# Altium PCB AccessControl_V1.0.0.PcbDoc (part 3 of 3)
Units mil, origin at the board's own origin, x right, y up, seen from the top; angles counter-clockwise.
Board outline 3937.01 x 3937.01 mil, 4 copper layers (Top Layer, GND, PWR, Bottom Layer), stack 62.449 mil thick; 371 components, 229 nets, 1119 pads, 467 vias.
Unrouted connection lines stored in the file: 6.
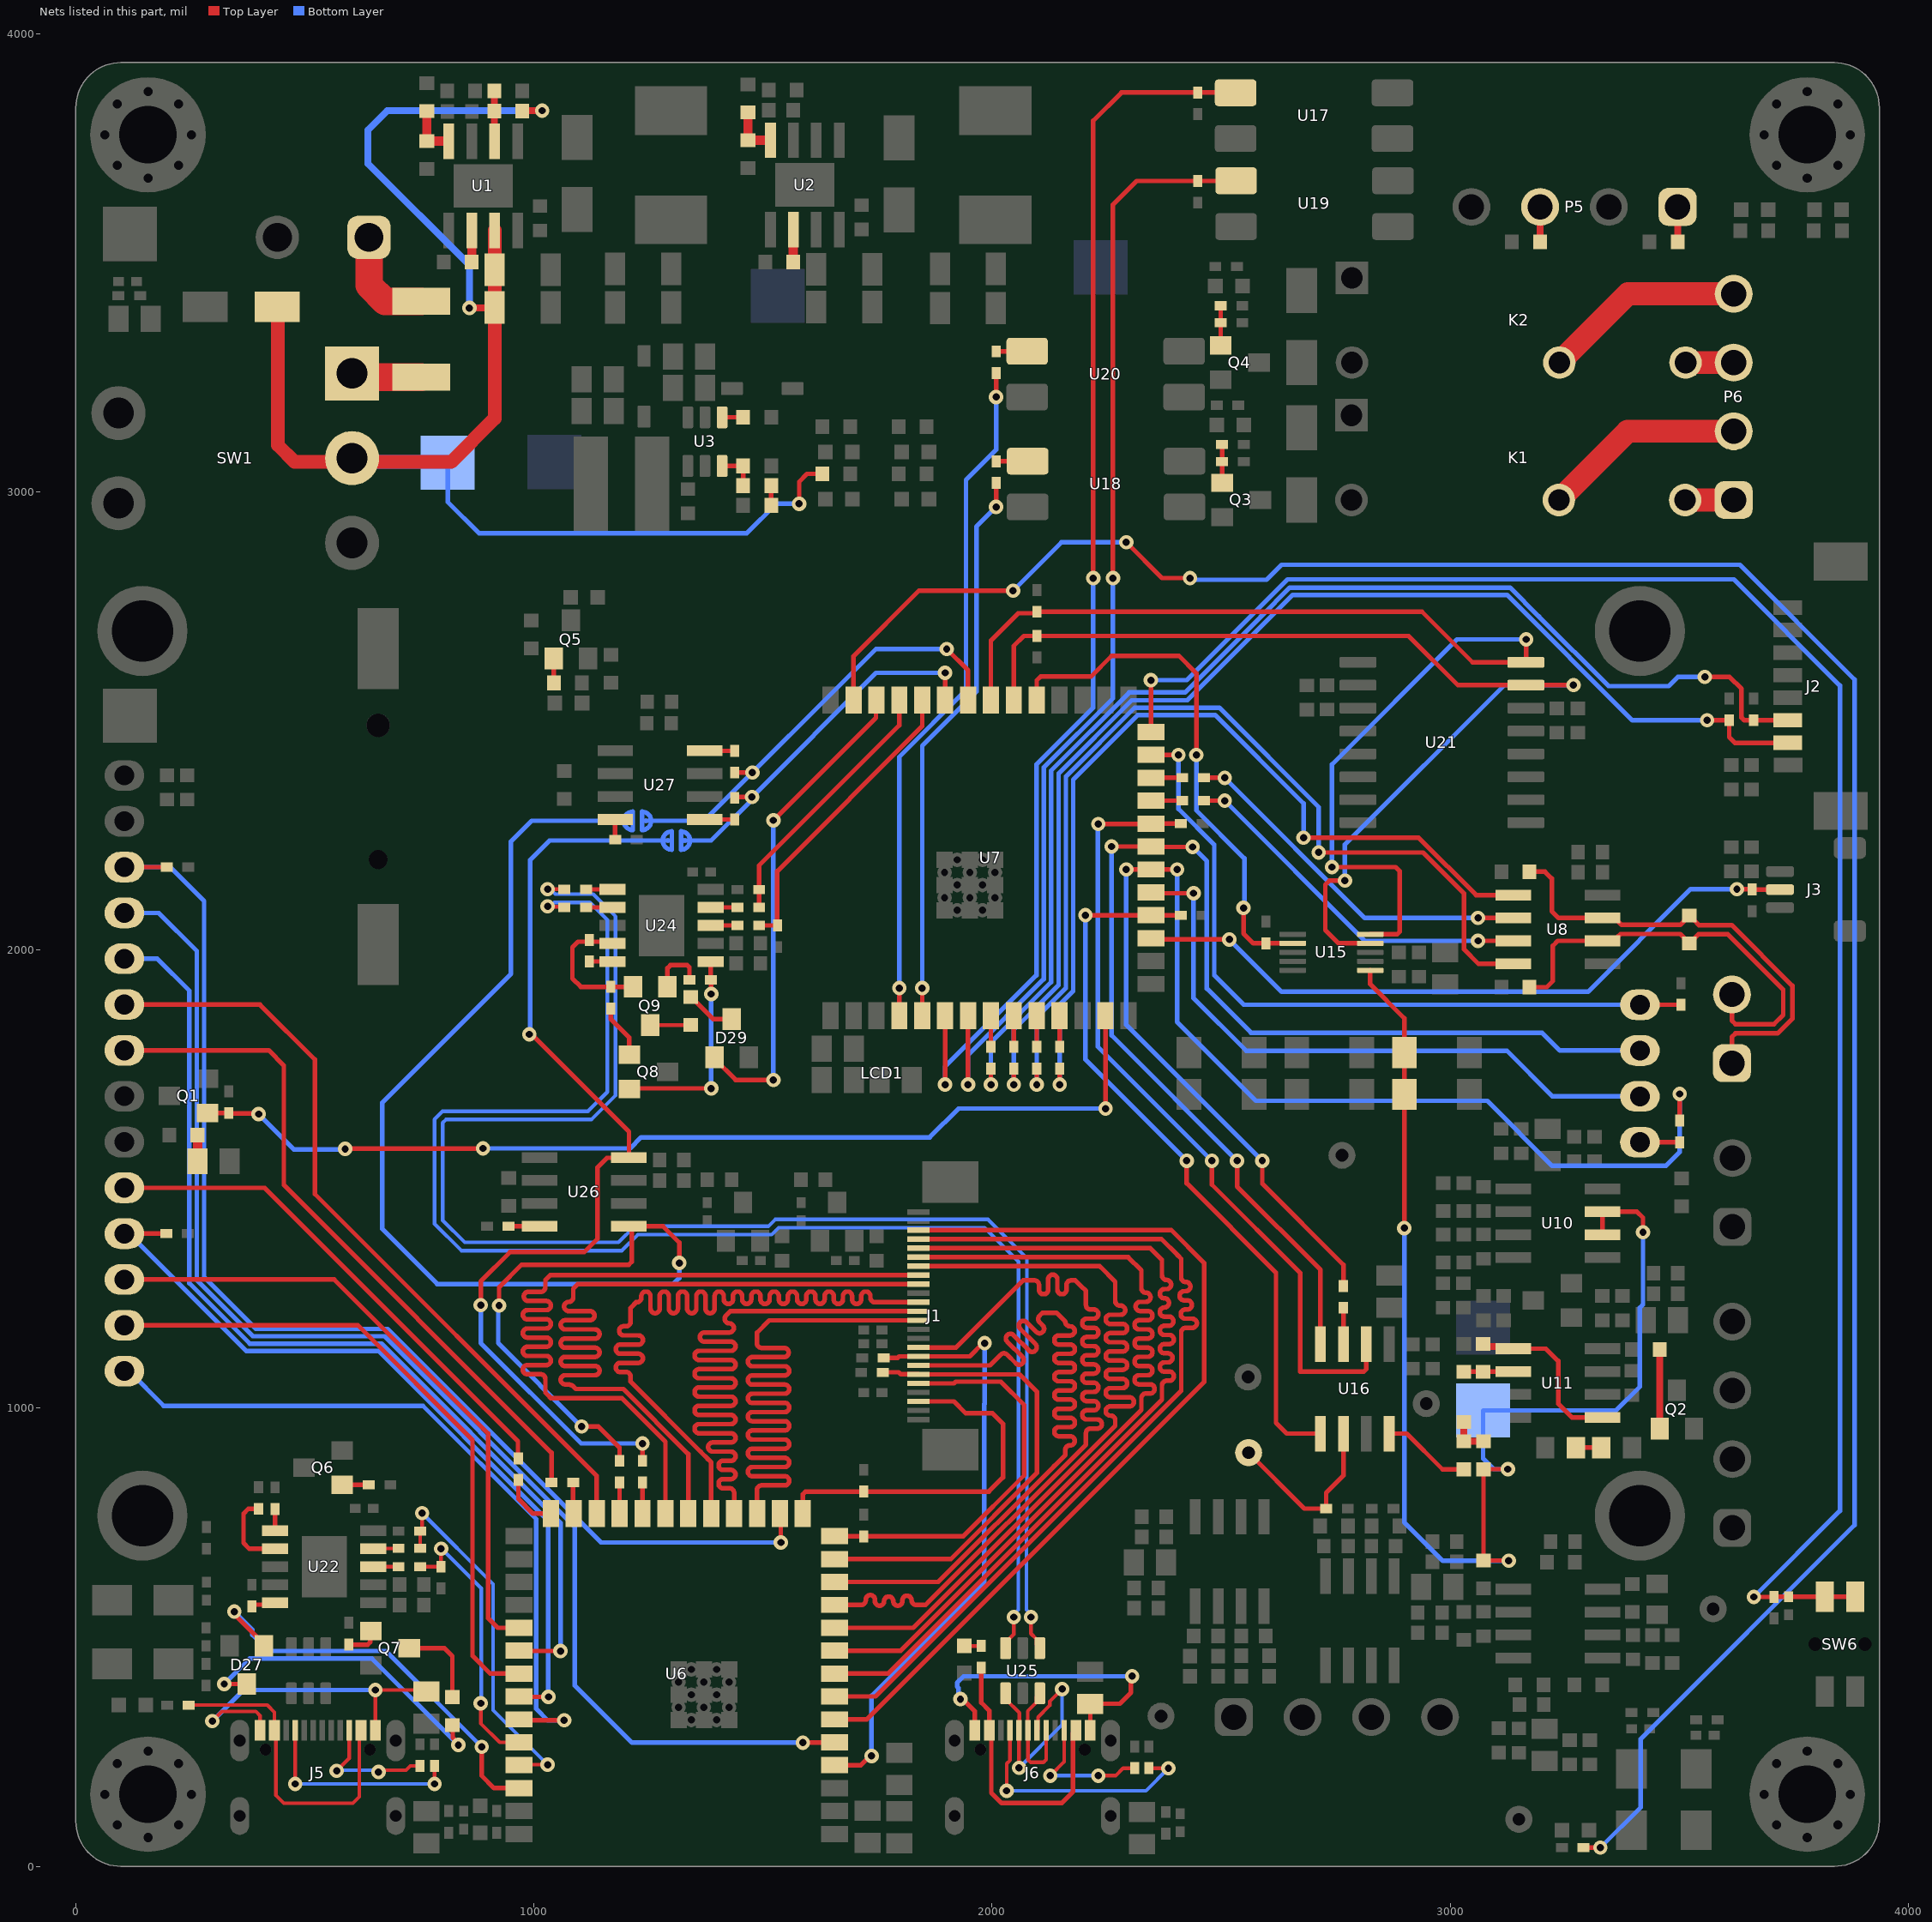
[diagram p5: the nets of this part, all layers, seen from the top]

## Via types
v1: diameter 31.5, hole 15.75, Top Layer to Bottom Layer, tented both sides, 466 vias
v2: diameter 50, hole 28, Top Layer to Bottom Layer, tented both sides, 1 vias

## Nets (pads, with @x,y where several pads share a name; then routed paths per layer and width w, separated by ;. In a path a pad name is that pad's centre, name@x,y a point inside that pad or via, vN(x,y) a via of type N, cw(c..) or ccw(c..) an arc to the next point about the centre after c; other vN are vias at no path point) (continued)
NetD27_1: D27.1 U6.38 | length 926
  Top Layer w10: v1(346,556) 350.11,551.89 350.11,545.68 410.8,484.99 D27.1@410.8,481.37 ; v1(886,261) 886,197.82 913.03,170.79 U6.38@967.51,170.79
  Bottom Layer w10: v1(346,556) 385.56,516.44 385.56,505.44 421,470 677,470 v1(886,261)
NetD27_3: D27.3 R116.2 | length 710.6
  Top Layer w10: v1(324,398) 373.31,398 D27.3@373.4,397.91 ; R116.2@822,308.5 823,307.5 823,280.79 835,268.79 v1(835,265)
  Bottom Layer w10: v1(324,398) 379.75,453.75 646.25,453.75 v1(835,265)
NetD28_A: D28.A R119.2 | length 36.9
  Top Layer w8: D28.A@1939.37,481.01 R119.2@1976.28,481.01
NetD29_1: D29.1 U7.38 | length 1072.7
  Top Layer w10: D29.1@1394.6,1765.9 1394.6,1762.28 1440.44,1716.44 v1(1522.68,1716.44) ; v1@1523,2283 1746.76,2506.76 1746.76,2544.56 U7.38@1747.62,2545.43
  Bottom Layer w10: v1(1522.68,1716.44) 1522.68,1836.95 1522.68,1987.51 v1(1522.68,2283)
NetD29_3: D29.3 R130.2 | length 109.9
  Top Layer w10: R130.2@1342,1897.5 1343,1897.5 1391.14,1849.36 D29.3@1432,1849.36
NetF1_1: F1.1 P1.1 | length 233.3
  Top Layer w60: P1.1@640,3555.52 640,3450.82 675.15,3415.68 F1.1@754,3415.68
NetF1_2: F1.2 SW1.1 | length 151
  Top Layer w60: SW1.1@603,3250.32 F1.2@754,3250.32
NetFB4_2: FB4.2 R37.2 | length 57.2
  Top Layer w10: R37.2@265.5,1596 R37.2@265.89,1595.61
  Top Layer w15: R37.2@265.5,1596 R37.2@265.55,1596.05
  Top Layer w20: FB4.2@265.89,1539 R37.2@265.89,1595.61
NetFB12_1: FB12.1 J5.A1B12 J5.B1A12 | length 733.2
  Top Layer w8: v1(298,317) 319,338 393,338 402.02,328.98 J5.A1B12@402.02,296.81 ; J5.B1A12@653.98,296.81 v1(654,385) 762.11,385 FB12.1@765,382.11
  Bottom Layer w10: v1(298,317) 366,385 v1(654,385)
NetFB14_1: FB14.1 J6.A1B12 J6.B1A12 | length 704.9
  Top Layer w10: v1(1931,365) 1936,365 1962.54,338.46 J6.A1B12@1962.54,296.81 ; J6.B1A12@2214.5,296.81 FB14.1@2214.52,354.89 2278.89,354.89 2303.25,379.25 2303.25,412.25 v1(2306,415)
  Bottom Layer w10: v1(1931,365) 1926.89,369.11 1926.89,389.33 1923.75,392.46 1923.75,400.75 1938,415 v1(2306,415)
NetJ1_3: J1.3 R28.1 U6.15 | length 817.8
  Top Layer w10: U6.15@1587,770 1587,812.14 1592.86,818 1993,818 2024,849 2024,966 2001,989 1942.72,989 1917,1014.72 J1.3@1839.12,1014.72 J1.3@1838.21,1013.82
NetJ1_5: J1.5 R29.1 U6.14 | length 875.5
  Top Layer w10: U6.14@1656.49,720.79 1937.41,720.79 2070,853.37 2070,1007 2019.22,1057.78 1920.78,1057.78 1917.09,1054.09 J1.5@1839.12,1054.09
NetJ1_6: J1.6 R27.1 U6.13 | length 1048.7
  Top Layer w10: U6.13@1656.49,670.79 1697.93,670.79 1902.53,670.79 1910.04,670.79 2098,858.75 2098,1036 2060.22,1073.78 J1.6@1839.12,1073.78 1838.9,1074 1801,1074 1796.37,1078.63 R27.1@1763.62,1078.63
NetJ1_7: J1.7 U6.12 | length 2025
  Top Layer w10: U6.12@1656.49,620.79 1882.67,620.79 2135.64,873.76 2160,898.12 2160,908.76 cw(c2170,908.76) 2170,918.76 2170.64,918.76 ccw(c2170.64,928.76) 2170.64,938.76 2145.94,938.76 cw(c2145.94,948.76) 2145.94,958.76 2171.08,958.76 ccw(c2171.08,968.76) 2171.08,978.76 2145.94,978.76 cw(c2145.94,988.76) 2145.94,998.76 2171.08,998.76 ccw(c2171.08,1008.76) 2171.08,1018.76 2145.94,1018.76 cw(c2145.94,1028.76) 2145.94,1038.76 2171.08,1038.76 ccw(c2171.08,1048.76) 2171.08,1058.76 2145.94,1058.76 cw(c2145.94,1068.76) 2145.94,1078.76 2171.08,1078.76 ccw(c2171.08,1088.76) 2171.08,1098.76 2145.94,1098.76 cw(c2145.94,1108.76) 2145.94,1118.76 2171.08,1118.76 ccw(c2171.08,1128.76) 2171.08,1138.76 2145.94,1138.76 cw(c2145.94,1148.76) 2145.94,1158.76 2170.61,1158.76 ccw(c2170.61,1168.76) 2170.61,1178.76 2170,1178.76 cw(c2170,1188.76) 2160,1188.76 2160,1189 2140.62,1208.38 2140.17,1208.38 2110.38,1208.38 2103.77,1201.77 ccw(c2110.84,1194.7) 2103.77,1187.63 2110.84,1180.55 cw(c2103.77,1173.48) 2110.84,1166.41 cw(c2103.77,1173.48) 2096.7,1166.41 2075.48,1187.63 ccw(c2068.41,1180.55) 2061.34,1187.63 ccw(c2068.41,1180.55) 2061.34,1173.48 2094.72,1140.11 cw(c2087.65,1133.04) 2094.72,1125.97 cw(c2087.65,1133.04) 2080.58,1125.97 2047.2,1159.34 ccw(c2040.13,1152.27) 2033.06,1159.34 ccw(c2040.13,1152.27) 2033.06,1145.2 2066.43,1111.82 cw(c2059.36,1104.75) 2066.43,1097.68 cw(c2059.36,1104.75) 2052.29,1097.68 2033.06,1116.92 ccw(c2025.99,1109.84) 2018.92,1116.92 2001.24,1099.24 1995.46,1093.46 J1.7@1839.12,1093.46
NetJ1_8: J1.8 R30.2 U6.4 | length 1326
  Top Layer w10: U6.4@1656.49,220.79 1713.73,220.79 1733.94,241 v1(1737,241) ; R30.2@1763.62,1109.63 1793.63,1109.63 1797.15,1113.15 J1.8@1839.12,1113.15 1951.33,1113.15 1980.18,1142 v1(1984,1142)
  Bottom Layer w10: v1(1737,241) 1737,372 1983,618 1983,1008.64 1984,1009.64 v1(1984,1142)
NetJ1_9: J1.9 U6.11 | length 2025.3
  Top Layer w10: U6.11@1656.49,570.79 1709.4,570.79 1714.4,570.79 ccw(c1714.4,580.79) 1724.4,580.79 1724.4,582.12 cw(c1734.4,582.12) 1744.4,582.12 1744.4,578.9 ccw(c1754.4,578.9) 1764.4,578.9 cw(c1774.4,578.9) 1784.4,578.9 ccw(c1794.4,578.9) 1804.4,578.9 1804.4,580.79 cw(c1814.4,580.79) 1824.4,580.79 ccw(c1834.4,580.79) 1834.4,570.79 1855.3,570.79 1863.08,578.57 2205,920.49 2205,945.49 cw(c2215,945.49) 2215,955.49 2229.85,955.49 ccw(c2229.85,965.49) 2229.85,975.49 2206.87,975.49 cw(c2206.87,985.49) 2206.87,995.49 2222.18,995.49 ccw(c2222.18,1005.49) 2222.18,1015.49 2206.87,1015.49 cw(c2206.87,1025.49) 2206.87,1035.49 2222.18,1035.49 ccw(c2222.18,1045.49) 2222.18,1055.49 2206.87,1055.49 cw(c2206.87,1065.49) 2206.87,1075.49 2222.18,1075.49 ccw(c2222.18,1085.49) 2222.18,1095.49 2206.87,1095.49 cw(c2206.87,1105.49) 2206.87,1115.49 2222.19,1115.49 ccw(c2222.19,1125.49) 2222.19,1135.49 2206.87,1135.49 cw(c2206.87,1145.49) 2206.87,1155.49 2222.19,1155.49 ccw(c2222.19,1165.49) 2222.19,1175.49 2206.87,1175.49 cw(c2206.87,1185.49) 2206.87,1195.49 2222.19,1195.49 ccw(c2222.19,1205.49) 2222.19,1215.49 2215,1215.49 cw(c2215,1225.49) 2205,1225.49 2205,1256 2194.14,1266.86 2193.48,1267.52 2182,1279 2172.58,1279 ccw(c2172.58,1269) 2162.58,1269 2162.58,1258.74 cw(c2152.58,1258.74) 2142.58,1258.74 2142.58,1281.42 ccw(c2132.58,1281.42) 2122.58,1281.42 2122.58,1258.74 cw(c2112.58,1258.74) 2102.58,1258.74 2102.58,1269 ccw(c2092.58,1269) 2092.58,1279 2068,1279 2067.58,1278.58 1921,1132 1839.95,1132 J1.9@1839.12,1132.83
NetJ1_12: J1.12 U6.17 | length 2025
  Top Layer w10: U6.17@1487,770 1487,796.6 1487,821.6 cw(c1497,821.6) 1497,831.6 1547.42,831.6 ccw(c1547.42,841.6) 1547.42,851.6 1477,851.6 cw(c1477,861.6) 1477,871.6 1547.42,871.6 ccw(c1547.42,881.6) 1547.42,891.6 1477,891.6 cw(c1477,901.6) 1477,911.6 1547.42,911.6 ccw(c1547.42,921.6) 1547.42,931.6 1477,931.6 cw(c1477,941.6) 1477,951.6 1547.42,951.6 ccw(c1547.42,961.6) 1547.42,971.6 1477,971.6 cw(c1477,981.6) 1477,991.6 1547.42,991.6 ccw(c1547.42,1001.6) 1547.42,1011.6 1477,1011.6 cw(c1477,1021.6) 1477,1031.6 1547.42,1031.6 ccw(c1547.42,1041.6) 1547.42,1051.6 1477,1051.6 cw(c1477,1061.6) 1477,1071.6 1547.42,1071.6 ccw(c1547.42,1081.6) 1547.42,1091.6 1477,1091.6 cw(c1477,1101.6) 1477,1111.6 1546.11,1111.6 ccw(c1546.11,1121.6) 1546.11,1131.6 1497,1131.6 cw(c1497,1141.6) 1487,1141.6 1487,1165 1513.59,1191.59 1513.89,1191.89 J1.12@1839.12,1191.89
NetJ1_13: J1.13 U6.18 | length 2025
  Top Layer w10: U6.18@1437,770 1437,810.26 1437,815.26 ccw(c1427,815.26) 1427,825.26 1413,825.26 cw(c1413,835.26) 1413,845.26 1430.12,845.26 ccw(c1430.12,855.26) 1430.12,865.26 1413,865.26 cw(c1413,875.26) 1413,885.26 1430.12,885.26 ccw(c1430.12,895.26) 1430.12,905.26 1390.37,905.26 cw(c1390.37,915.26) 1390.37,925.26 1430.12,925.26 ccw(c1430.12,935.26) 1430.12,945.26 1360.65,945.26 cw(c1360.65,955.26) 1360.65,965.26 1430.12,965.26 ccw(c1430.12,975.26) 1430.12,985.26 1360.65,985.26 cw(c1360.65,995.26) 1360.65,1005.26 1430.12,1005.26 ccw(c1430.12,1015.26) 1430.12,1025.26 1360.65,1025.26 cw(c1360.65,1035.26) 1360.65,1045.26 1430.12,1045.26 ccw(c1430.12,1055.26) 1430.12,1065.26 1360.65,1065.26 cw(c1360.65,1075.26) 1360.65,1085.26 1430.12,1085.26 ccw(c1430.12,1095.26) 1430.12,1105.26 1360.65,1105.26 cw(c1360.65,1115.26) 1360.65,1125.26 1430.12,1125.26 ccw(c1430.12,1135.26) 1430.12,1145.26 1372.35,1145.26 cw(c1372.35,1155.26) 1372.35,1165.26 1426.4,1165.26 ccw(c1426.4,1175.26) 1426.4,1185.26 cw(c1426.4,1195.26) 1419.33,1202.33 1427.7,1210.7 1428.57,1211.57 J1.13@1839.12,1211.57
NetJ1_14: J1.14 U6.19 | length 2025.3
  Top Layer w10: U6.19@1387,770 1387,882 1379.74,889.26 1379.6,889.26 1364.37,904.49 1364.37,904.63 1211,1058 1211,1063.9 1211,1068.9 ccw(c1201,1068.9) 1201,1078.9 1188.67,1078.9 cw(c1188.67,1088.9) 1188.67,1098.9 1228.09,1098.9 ccw(c1228.09,1108.9) 1228.09,1118.9 1188.67,1118.9 cw(c1188.67,1128.9) 1188.67,1138.9 1228.09,1138.9 ccw(c1228.09,1148.9) 1228.09,1158.9 1195.96,1158.9 cw(c1195.96,1168.9) 1195.96,1178.9 1201,1178.9 ccw(c1201,1188.9) 1211,1188.9 1211,1208.72 1211,1219 1219.48,1227.48 1223.26,1231.26 1224.49,1231.26 ccw(c1224.49,1241.26) 1234.49,1241.26 1234.49,1244.63 cw(c1244.49,1244.63) 1254.49,1244.63 1254.49,1217.45 ccw(c1264.49,1217.45) 1274.49,1217.45 1274.49,1244.63 cw(c1284.49,1244.63) 1294.49,1244.63 1294.49,1217.45 ccw(c1304.49,1217.45) 1314.49,1217.45 1314.49,1244.63 cw(c1324.49,1244.63) 1334.49,1244.63 1334.49,1217.45 ccw(c1344.49,1217.45) 1354.49,1217.45 1354.49,1244.63 cw(c1364.49,1244.63) 1374.49,1244.63 1374.49,1217.45 ccw(c1384.49,1217.45) 1394.49,1217.45 1394.49,1244.63 cw(c1404.49,1244.63) 1414.49,1244.63 1414.49,1237.57 ccw(c1424.49,1237.57) 1434.49,1237.57 1434.49,1244.63 cw(c1444.49,1244.63) 1454.49,1244.63 1454.49,1237.57 ccw(c1464.49,1237.57) 1474.49,1237.57 1474.49,1244.63 cw(c1484.49,1244.63) 1494.49,1244.63 1494.49,1237.57 ccw(c1504.49,1237.57) 1514.49,1237.57 1514.49,1244.63 cw(c1524.49,1244.63) 1534.49,1244.63 1534.49,1237.57 ccw(c1544.49,1237.57) 1554.49,1237.57 1554.49,1244.63 cw(c1564.49,1244.63) 1574.49,1244.63 1574.49,1237.57 ccw(c1584.49,1237.57) 1594.49,1237.57 1594.49,1244.63 cw(c1604.49,1244.63) 1614.49,1244.63 1614.49,1237.57 ccw(c1624.49,1237.57) 1634.49,1237.57 1634.49,1244.63 cw(c1644.49,1244.63) 1654.49,1244.63 1654.49,1237.57 ccw(c1664.49,1237.57) 1674.49,1237.57 1674.49,1244.63 cw(c1684.49,1244.63) 1694.49,1244.63 1694.49,1237.57 ccw(c1704.49,1237.57) 1714.49,1237.57 1714.49,1244.63 cw(c1724.49,1244.63) 1734.49,1244.63 1734.49,1241.26 ccw(c1744.49,1241.26) 1744.49,1231.26 1767.41,1231.26 J1.14@1839.12,1231.26
NetJ1_16: J1.16 U6.20 | length 2025
  Top Layer w10: U6.20@1337,770 1337,900 1195,1042 1091.86,1042 1086.85,1047.01 ccw(c1074.78,1034.94) 1074.78,1052.01 1068.38,1052.01 cw(c1068.38,1062.01) 1068.38,1072.01 1133.3,1072.01 ccw(c1133.3,1082.01) 1133.3,1092.01 1068.38,1092.01 cw(c1068.38,1102.01) 1068.38,1112.01 1133.3,1112.01 ccw(c1133.3,1122.01) 1133.3,1132.01 1068.38,1132.01 cw(c1068.38,1142.01) 1068.38,1152.01 1133.3,1152.01 ccw(c1133.3,1162.01) 1133.3,1172.01 1068.38,1172.01 cw(c1068.38,1182.01) 1068.38,1192.01 1122.21,1192.01 ccw(c1122.21,1202.01) 1122.21,1212.01 1076,1212.01 cw(c1076,1222.01) 1076,1232.01 ccw(c1076,1242.01) 1086,1242.01 1086,1261 1095.37,1270.37 1095.63,1270.63 J1.16@1839.12,1270.63
NetJ1_17: J1.17 U6.21 | length 2025
  Top Layer w10: U6.21@1287,770 1287,927 1192,1022 1037,1022 1034.94,1024.06 1025,1034 1025,1064.06 ccw(c1015,1064.06) 1015,1074.06 985.84,1074.06 cw(c985.84,1084.06) 985.84,1094.06 1026.96,1094.06 ccw(c1026.96,1104.06) 1026.96,1114.06 985.84,1114.06 cw(c985.84,1124.06) 985.84,1134.06 1026.96,1134.06 ccw(c1026.96,1144.06) 1026.96,1154.06 985.84,1154.06 cw(c985.84,1164.06) 985.84,1174.06 1026.96,1174.06 ccw(c1026.96,1184.06) 1026.96,1194.06 985.84,1194.06 cw(c985.84,1204.06) 985.84,1214.06 1026.96,1214.06 ccw(c1026.96,1224.06) 1026.96,1234.06 987.91,1234.06 cw(c987.91,1244.06) 987.91,1254.06 1015,1254.06 ccw(c1015,1264.06) 1025,1264.06 1025,1280 1031.45,1286.45 1035.32,1290.32 J1.17@1839.12,1290.32
NetJ1_18: J1.18 U6.10 | length 2025
  Top Layer w10: U6.10@1656.49,520.79 1827.92,520.79 2268.96,961.82 2268.96,968.93 2268.96,973.93 ccw(c2258.96,973.93) 2258.96,983.93 2258.18,983.93 cw(c2258.18,993.93) 2258.18,1003.93 2299.71,1003.93 ccw(c2299.71,1013.93) 2299.71,1023.93 2258.18,1023.93 cw(c2258.18,1033.93) 2258.18,1043.93 2285.03,1043.93 ccw(c2285.03,1053.93) 2285.03,1063.93 2258.18,1063.93 cw(c2258.18,1073.93) 2258.18,1083.93 2285.03,1083.93 ccw(c2285.03,1093.93) 2285.03,1103.93 2258.18,1103.93 cw(c2258.18,1113.93) 2258.18,1123.93 2285.03,1123.93 ccw(c2285.03,1133.93) 2285.03,1143.93 2258.18,1143.93 cw(c2258.18,1153.93) 2258.18,1163.93 2285.03,1163.93 ccw(c2285.03,1173.93) 2285.03,1183.93 2258.18,1183.93 cw(c2258.18,1193.93) 2258.18,1203.93 2280.87,1203.93 ccw(c2280.87,1213.93) 2280.87,1223.93 2278.96,1223.93 cw(c2278.96,1233.93) 2268.96,1233.93 2268.96,1274.43 2268.96,1276.04 2236.71,1308.29 2235,1310 J1.18@1839.12,1310
NetJ1_19: J1.19 U6.9 | length 2025
  Top Layer w10: U6.9@1656.49,470.79 1800.55,470.79 2316.83,987.07 2326,996.24 2326,1022.07 cw(c2336,1022.07) 2336,1032.07 2345,1032.07 ccw(c2345,1042.07) 2345,1052.07 2321.03,1052.07 cw(c2321.03,1062.07) 2321.03,1072.07 2340.29,1072.07 ccw(c2340.29,1082.07) 2340.29,1092.07 2321.03,1092.07 cw(c2321.03,1102.07) 2321.03,1112.07 2340.29,1112.07 ccw(c2340.29,1122.07) 2340.29,1132.07 2321.03,1132.07 cw(c2321.03,1142.07) 2321.03,1152.07 2340.29,1152.07 ccw(c2340.29,1162.07) 2340.29,1172.07 2321.03,1172.07 cw(c2321.03,1182.07) 2321.03,1192.07 2340.29,1192.07 ccw(c2340.29,1202.07) 2340.29,1212.07 2323.39,1212.07 cw(c2323.39,1222.07) 2323.39,1232.07 2336,1232.07 ccw(c2336,1242.07) 2336,1252.07 cw(c2336,1262.07) 2326,1262.07 2326,1282.24 2326,1301 2297.31,1329.69 J1.19@1839.12,1329.69
NetJ1_20: J1.20 U6.8 | length 2025
  Top Layer w10: U6.8@1656.49,420.79 1773.18,420.79 2371,1018.61 2371,1024.93 2371,1049.93 cw(c2381,1049.93) 2381,1059.93 2387,1059.93 ccw(c2387,1069.93) 2387,1079.93 2376.29,1079.93 cw(c2376.29,1089.93) 2376.29,1099.93 2384.09,1099.93 ccw(c2384.09,1109.93) 2384.09,1119.93 2376.29,1119.93 cw(c2376.29,1129.93) 2376.29,1139.93 2387,1139.93 ccw(c2387,1149.93) 2387,1159.93 2376.29,1159.93 cw(c2376.29,1169.93) 2376.29,1179.93 2386.1,1179.93 ccw(c2386.1,1189.93) 2386.1,1199.93 2376.29,1199.93 cw(c2376.29,1209.93) 2376.29,1219.93 ccw(c2376.29,1229.93) 2376.29,1239.93 cw(c2376.29,1249.93) 2376.29,1259.93 2381,1259.93 ccw(c2381,1269.93) 2381,1279.93 cw(c2381,1289.93) 2371,1289.93 2371,1315.39 2371,1324 2345.63,1349.37 J1.20@1839.12,1349.37
NetJ1_21: J1.21 U6.7 | length 2025
  Top Layer w10: U6.7@1656.49,370.79 1745.81,370.79 2413,1037.98 2413,1140.47 2413,1165.47 cw(c2423,1165.47) 2423,1175.47 2437,1175.47 ccw(c2437,1185.47) 2437,1195.47 2422.04,1195.47 cw(c2422.04,1205.47) 2422.04,1215.47 2426.3,1215.47 ccw(c2426.3,1225.47) 2426.3,1235.47 2419.33,1235.47 cw(c2419.33,1245.47) 2419.33,1255.47 2423,1255.47 ccw(c2423,1265.47) 2423,1275.47 cw(c2423,1285.47) 2413,1285.47 2413,1326 2405.22,1333.78 2369.95,1369.06 J1.21@1839.12,1369.06
NetJ1_22: J1.22 U6.6 | length 2025.1
  Top Layer w10: U6.6@1656.49,320.79 1656.7,321 1727,321 2463,1057 2463,1317 2391.26,1388.74 J1.22@1839.12,1388.74
NetJ2_2: J2.2 R39.1 R41.2 | length 2662.6
  Top Layer w10: v1(2047.62,1706.35) R41.2@2047.62,1741.38 ; v1(3561,2501.52) R39.1@3609.31,2501.52 3609.31,2464.69 3621.69,2452.31 J2.2@3736.77,2452.31
  Bottom Layer w10: v1(2047.62,1706.35) 2047.62,1825.88 2145.25,1923.51 2145.25,2385.37 2304.88,2545 2426.51,2545 2656.51,2775 3124.37,2775 3397.85,2501.52 v1(3561,2501.52)
NetJ2_3: J2.3 R40.1 R42.2 | length 2721.2
  Top Layer w10: v1(1997.62,1706.35) R42.2@1997.62,1741.38 ; v1(3556,2596) 3610.14,2596 3636,2570.14 3636,2507.38 3641.86,2501.52 R40.1@3662.69,2501.52 J2.3@3736.77,2501.52
  Bottom Layer w10: v1(1997.62,1706.35) 1997.62,1798.5 2129,1929.88 2129,2391.75 2299.51,2562.25 2421.13,2562.25 2586.88,2728 2649.88,2791 3131,2791 3194,2728 3346,2576 3477,2576 3497,2596 v1(3556,2596)
NetJ3_2: J3.2 R97.1 U7.17 | length 1514.8
  Top Layer w10: U7.17@2346.83,2025.94 2349.72,2023.05 v1(2518.12,2023.05) ; v1(3626,2133) 3626.47,2132.53 3658.53,2132.53 R97.1@3659,2132.05 J3.2@3720,2132.05
  Bottom Layer w10: v1(2518.12,2023.05) 2632.17,1909 3301,1909 3525,2133 v1(3626,2133)
NetJ5_A4B9: J5.A4B9 J5.B4A9 R103.1 | length 717.3
  Top Layer w8: R103.1@246.62,352 418,352 433.51,336.49 J5.A4B9@433.51,296.81 437.02,293.31 437.02,154.98 454,138 605,138 618.98,151.98 618.98,293.31 J5.B4A9@622.49,296.81
NetJ5_A5: J5.A5 R112.2 | length 460
  Top Layer w8: v1(479,180) J5.A5@479,296.6 ; v1(783,180) R112.2@783,219.38
  Bottom Layer w8: v1(479,180) v1(783,180)
NetJ5_B5: J5.B5 R111.2 | length 289
  Top Layer w8: v1(569.44,208.44) 596.9,235.9 J5.B5@596.9,296.81 ; v1(660.73,205.93) 664.55,209.75 720.75,209.75 730.38,219.38 R111.2@751,219.38
  Bottom Layer w8: v1(569.44,208.44) 570.75,209.75 656.92,209.75 v1(660.73,205.93)
NetJ6_A4B9: J6.A4B9 J6.B4A9 R119.1 | length 616.7
  Top Layer w10: R119.1@1976.37,433.86 1976.37,357.63 1994.03,339.97 J6.A4B9@1994.03,296.81 1998.54,292.31 1998.54,160.64 2020.92,138.25 2152.25,138.25 2177,163 2177,290.8 J6.B4A9@2183.01,296.81
NetJ6_A5: J6.A5 R126.2 | length 550.8
  Top Layer w8: v1(2032,165) 2032,224.41 2039.31,231.72 J6.A5@2039.31,296.81 ; R126.2@2342.52,214.38 2342.9,214 v1(2385,214)
  Bottom Layer w8: v1(2032,165) 2336,165 v1(2385,214)
NetJ6_B5: J6.B5 R125.2 | length 302.7
  Top Layer w8: v1(2127,198) 2157.42,228.42 J6.B5@2157.42,296.81 ; v1(2232,198) 2270,198 2286.38,214.38 R125.2@2311.52,214.38
  Bottom Layer w8: v1(2127,198) v1(2232,198)
NetJ7_1: J7.1 R132.2 U26.1 | length 3036.3
  Top Layer w10: v1(924,1224) 924,1264 973.06,1313.06 1207.06,1313.06 1213.46,1319.46 1213.46,1390.19 U26.1@1220.27,1397 ; v1(1104,960) 1141,960 1187,914 R132.2@1187,885.24 ; U26.1@1207.44,1397 U26.1@1220.27,1397 ; v1(1317.33,1317.06) 1317.33,1361.67 1282,1397 U26.1@1220.27,1397
  Bottom Layer w10: v1(924,1224) 922,1222 922,1142 v1(1104,960) ; 1196,2282 995,2282 950,2237 950,1948 669,1667 669,1391 789,1271 1304.14,1271 1317.33,1284.19 v1(1317.33,1317.06)
NetJ7_2: J7.2 R137.2 U7.34 | length 982.2
  Top Layer w10: R137.2@1438,2387.38 v1(1477,2387.38) ; v1(1901,2657) 1947.62,2610.38 U7.34@1947.62,2545.43
  Bottom Layer w10: J7.2@1244,2282 1371.62,2282 1746.62,2657 v1(1901,2657)
NetJ8_1: J8.1 R136.2 U26.4 | length 2205.2
  Top Layer w10: v1(884,1225) 884,1276.93 948.07,1341 1110,1341 1139,1370 1139,1526 1159.52,1546.52 1206.96,1546.52 U26.4@1207.44,1547 1207.44,1603.56 995,1816 v1(990,1816) ; R136.2@1237,885.24 v1(1237,923)
  Bottom Layer w10: v1(884,1225) 884,1142.17 1103.17,923 v1(1237,923) ; v1(990,1816) 992,1818 992,2197 1034,2239 1281,2239 J8.1@1293,2239
NetJ8_2: J8.2 R133.2 U7.35 | length 821.9
  Top Layer w10: R133.2@1438,2332.24 1439.76,2334 v1(1476,2334) ; U7.35@1897.62,2545.43 v1(1897.62,2605)
  Bottom Layer w10: J8.2@1329,2239 1341,2239 1386.82,2239 1476,2328.18 v1(1476,2334) 1747,2605 v1(1897.62,2605)
NetK1_3: K1.3 P6.2 | length 439.7
  Top Layer w50: K1.3@3240.27,2985.11 3387.41,3132.24 P6.2@3619,3132.24
NetK1_4: K1.4 P6.1 | length 106
  Top Layer w50: K1.4@3513,2982.24 P6.1@3619,2982.24
NetK2_3: K2.3 P6.4 | length 442.7
  Top Layer w50: K2.3@3238.41,3282.24 3388.41,3432.24 P6.4@3619,3432.24
NetK2_4: K2.4 P6.3 | length 105
  Top Layer w50: K2.4@3514,3282.24 P6.3@3619,3282.24
NetLCD1_3: LCD1.3 R32.1 U6.16 | length 2680.7
  Top Layer w10: LCD1.3@106,2181 R32.1@198.38,2181 ; U6.16@1537,770 1539,768 v1(1539,707)
  Bottom Layer w10: LCD1.3@106,2181 206,2181 280,2107 280,1286 393,1173 680.37,1173 1146.37,707 v1(1539,707)
NetLCD1_4: LCD1.4 U6.5 | length 2925
  Top Layer w10: v1(1587,270) 1655.7,270 U6.5@1656.49,270.79
  Bottom Layer w10: LCD1.4@106,2081 181,2081 264,1998 264,1279.37 386.37,1157 673.75,1157 1089,741.75 1089,395 1214,270 v1(1587,270)
NetLCD1_5: LCD1.5 U6.32 | length 2206.7
  Top Layer w10: U6.32@967.51,470.79 968.3,470 v1(1058,470)
  Bottom Layer w10: LCD1.5@106,1981 178,1981 248,1911 248,1272.75 379.75,1141 667.12,1141 1058,750.12 v1(1058,470)